# Allegro board buddy_lay_rev1.brd (continued)
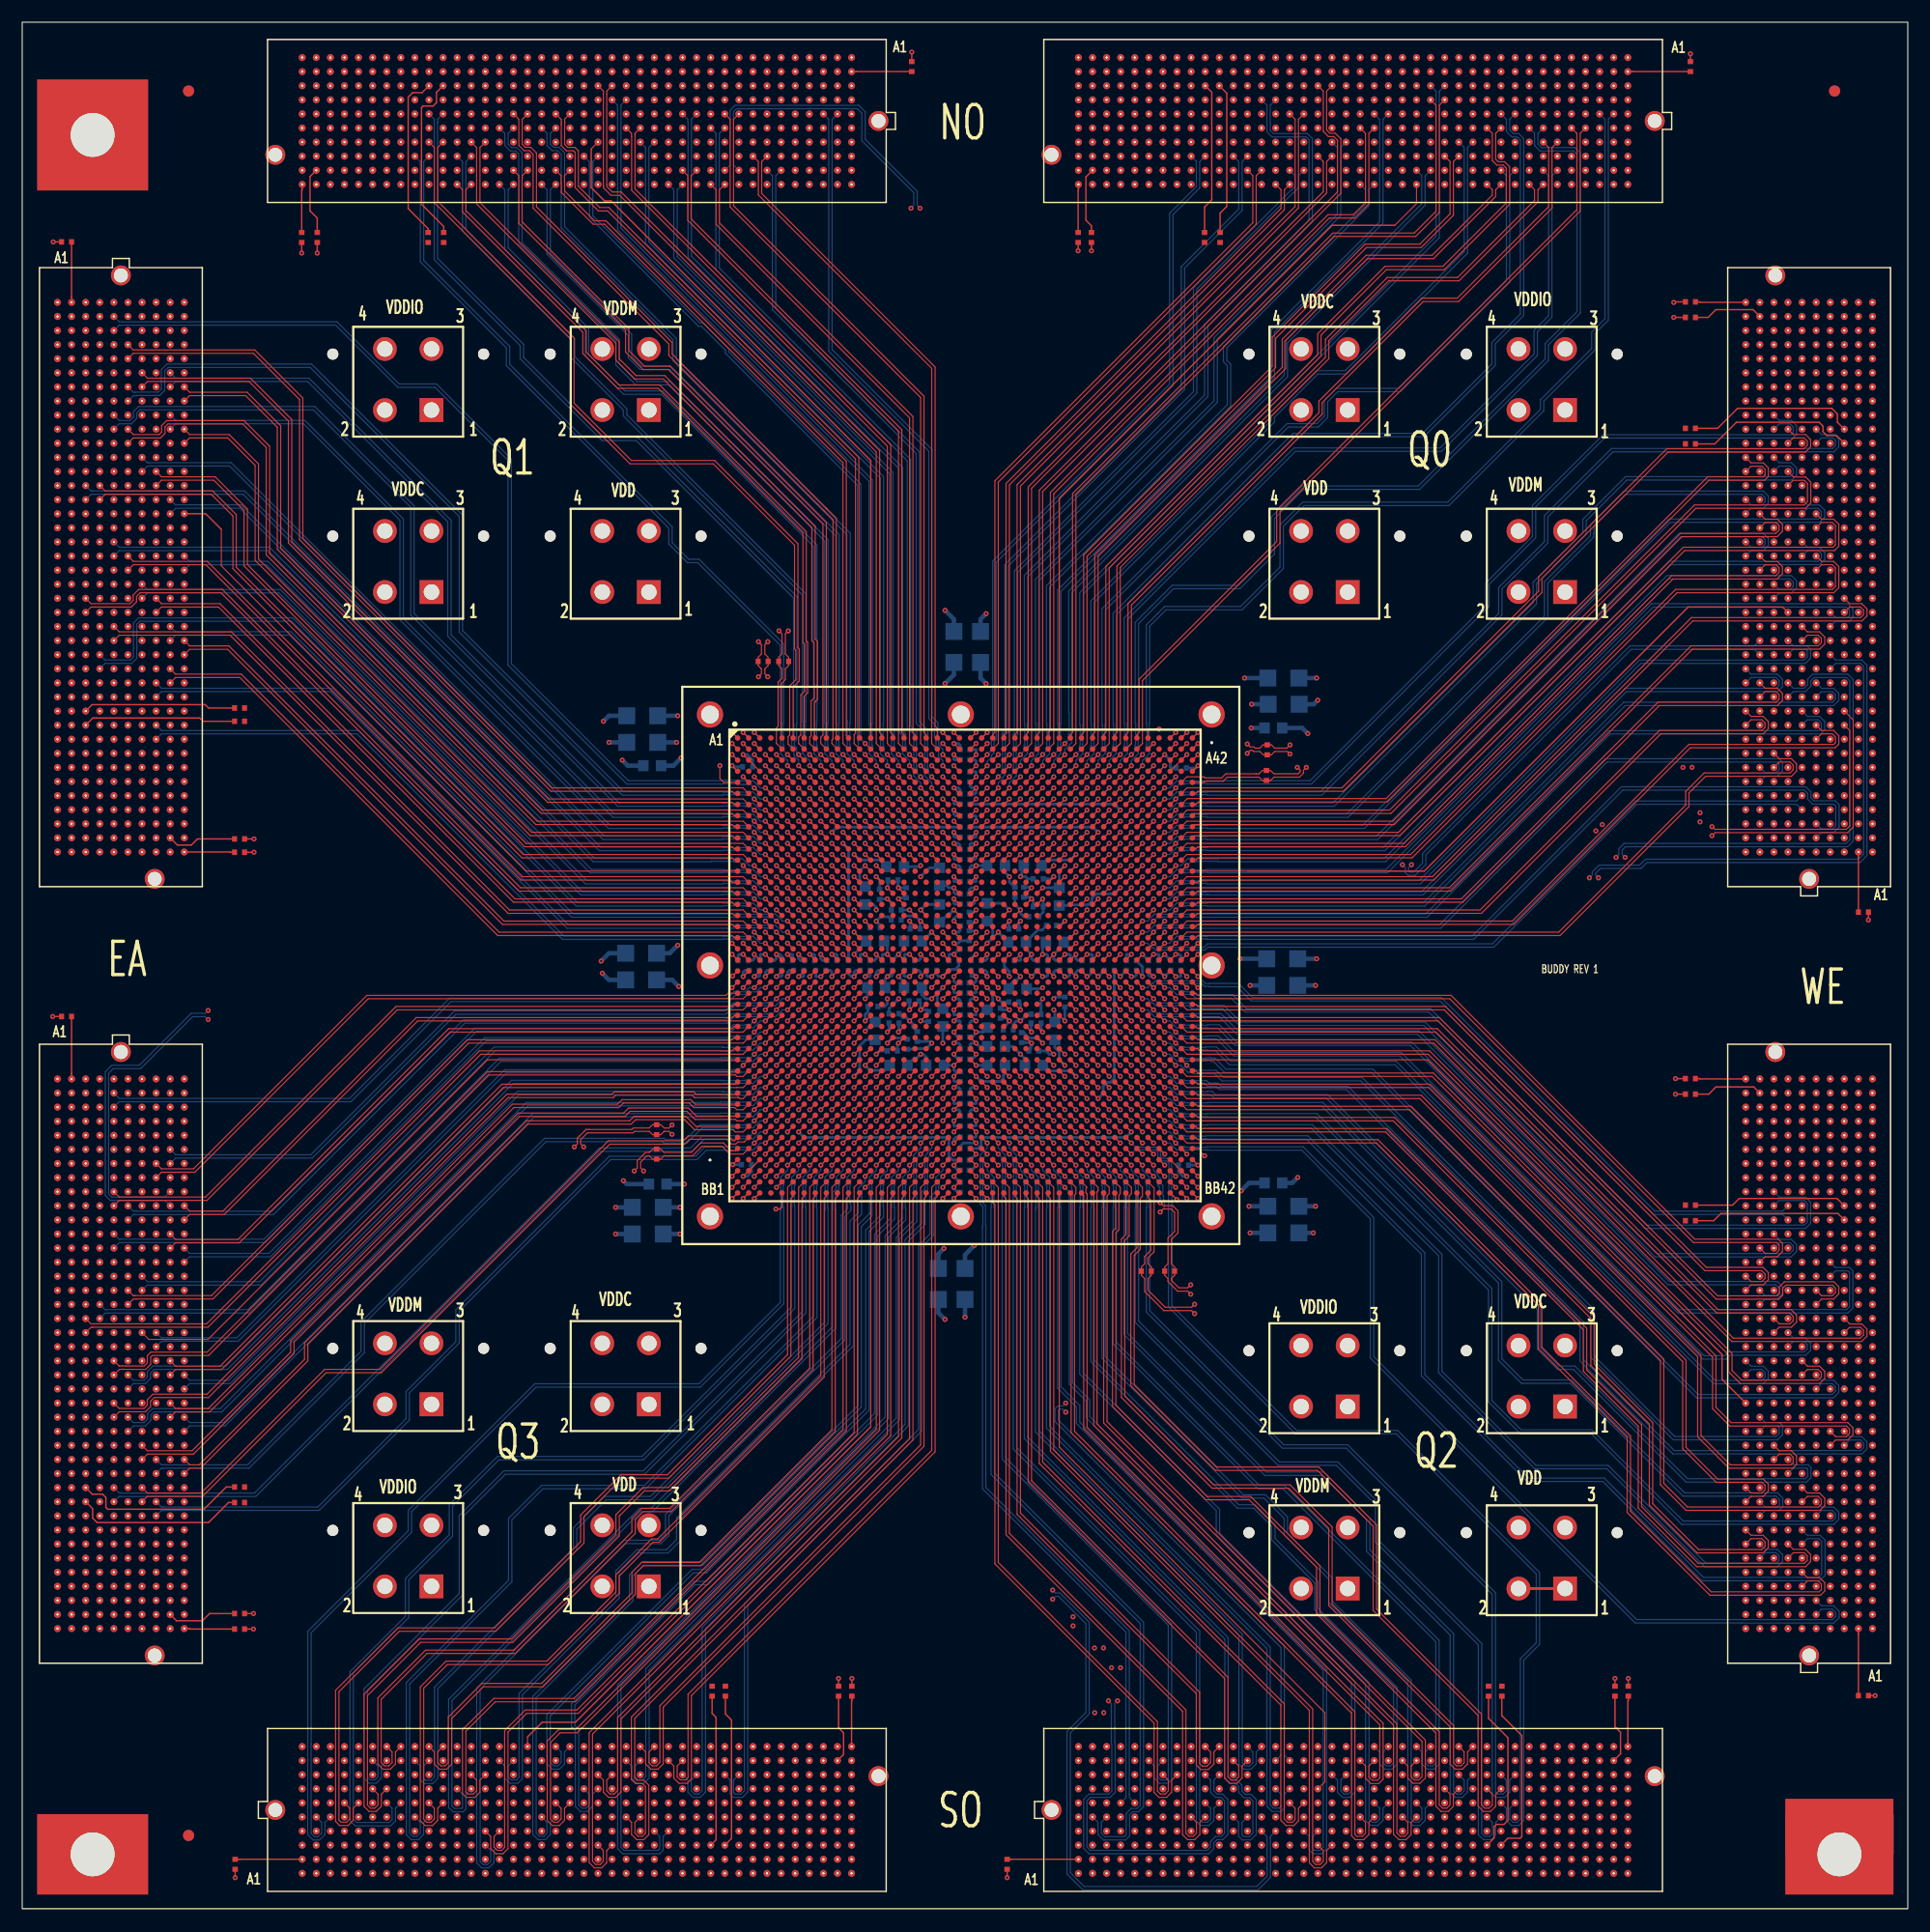
[diagram p0: board, top side]
## Routing (per net, layer and track width the routed paths; a pad name or vN(x,y) marks a point on that pad's centre or on a via; arc(x,y) is an arc through that point) (continued)
SO_P26: length 93.9
  TOP w0.127: U1.AT30 v1(94,70)
  SIGNAL_L3 w0.081: v1(94,70) 94,69.52 94.15,69.37 94.15,69.37 94.37,69.15 94.37,69.15 94.4,69.12 94.4,69.07 94.67,68.8 94.67,68.22 94.63,68.18 94.63,61.61 94.67,61.57 94.67,48.78 95.75,47.7 95.75,42.65 94.7,41.6 94.7,29.7 98.78,25.62 98.78,21.96 v1(99.02,21.71)
  SIGNAL_L10 w0.081: J5.K19 118.56,14.15 118.56,13.89 118.57,13.88 118.57,5.56 118.28,5.27 110.28,5.27 110.01,5.54 110.01,14.92 108.23,16.7 103.2,16.7 98.78,21.12 98.78,21.47 v1(99.02,21.71)
SO_P27: length 71.1
  TOP w0.127: U1.AV30 v1(94,68)
  SIGNAL_L12 w0.081: v1(94,68) 94,67.55 94.37,67.18 94.37,67.1 94.66,66.81 94.66,66.31 94.63,66.28 94.63,64.27 94.67,64.24 94.67,45.97 94.78,45.85 94.78,44.62 118.87,20.53 118.87,11.62 118.54,11.29 117.76,11.29 117.29,11.76 117.29,12.88 J5.J18
SO_P28: length 70.8
  TOP w0.127: U1.AY30 v1(94,66)
  BOTTOM w0.102: v1(94,66) 94.41,65.59 94.44,65.59 94.62,65.41 94.62,64.81 94.7,64.73 94.7,47.4 96.25,45.85 96.25,44.35 120.15,20.45 120.15,10.51 119.68,10.03 119.04,10.03 118.58,10.48 118.58,11.58 J5.H19
SO_P29: length 63.9
  TOP w0.102: U1.BB30 93.5,41.6 117.45,17.65 117.45,11.44 J5.G18
SO_P30: length 85.5
  TOP w0.127: U1.AM29 v1(93,74)
  SIGNAL_L3 w0.081: v1(93,74) 93.32,73.68 93.76,73.68 93.79,73.64 93.83,73.64 93.85,73.63 94.15,73.63 94.17,73.64 94.24,73.64 94.63,73.26 94.63,72.74 94.74,72.63 98.35,72.63 98.63,72.35 98.63,70.77 98.77,70.63 100.26,70.63 100.63,70.26 100.63,64.72 100.65,64.7 100.64,64.62 100.64,34.63 113.82,21.45 113.82,7.97 114,7.79 118.26,7.79 118.56,8.09 118.56,9.07 J5.F19
SO_P31: length 75.4
  TOP w0.127: U1.AU29 v1(93,69)
  SIGNAL_L12 w0.081: J5.E18 117.29,7.8 117.29,6.82 117.01,6.54 116.63,6.54 116.33,6.83 116.33,21.58 93.66,44.25 93.66,62.66 93.63,62.7 93.63,67.2 93.66,67.23 93.66,67.81 93.37,68.1 93.37,68.18 93,68.55 v1(93,69)
SO_P32: length 76.3
  TOP w0.127: U1.AW29 v1(93,67)
  BOTTOM w0.102: v1(93,67) 93,66.54 93.63,65.91 93.63,65.46 93.62,65.44 93.62,63.2 93.65,63.17 93.65,47.04 95.35,45.34 95.35,43.85 117.6,21.6 117.6,5.42 117.14,4.95 116.37,4.95 116.03,5.29 116.03,6.51 J5.D17
SO_P33: length 74
  TOP w0.102: 116.82,5.72 117.3,5.24 117.3,4.28 117.01,3.99 116.62,3.99 116.35,4.26 116.35,18 93,41.35 93,65 U1.BA29
SO_P34: length 74.4
  TOP w0.127: U1.AL28 v1(92,75)
  SIGNAL_L5 w0.081: J5.K16 114.75,14.15 114.75,13.17 114.47,12.89 114.09,12.89 113.8,13.17 113.8,16.3 92.66,37.44 92.66,64.52 92.63,64.56 92.63,73.26 92.59,73.29 92.59,73.51 92.63,73.54 92.63,74.37 v1(92,75)
SO_P35: length 71.3
  TOP w0.127: U1.AN28 v1(92,73)
  SIGNAL_L3 w0.081: v1(94.08,45.56) 93.84,45.32 93.35,45.32 92.67,46 92.67,64.62 92.63,64.65 92.63,71.18 92.67,71.22 92.67,71.8 92.4,72.07 92.4,72.12 92.37,72.15 92.37,72.15 92.15,72.37 92.15,72.37 92,72.52 v1(92,73)
  BOTTOM w0.102: J5.J15 113.49,13.83 113.49,23.53 93.12,43.9 93.12,45.05 93.38,45.31 93.82,45.31 v1(94.08,45.56)
SO_P36: length 71
  TOP w0.127: U1.AU28 v1(92,69)
  SIGNAL_L12 w0.081: J5.H16 114.75,11.61 114.75,10.63 114.47,10.35 114.09,10.35 113.82,10.62 113.82,22.83 92.66,43.99 92.66,62.66 92.63,62.7 92.63,67.2 92.66,67.23 92.66,67.81 92.37,68.1 92.37,68.18 92,68.55 v1(92,69)
SO_P37: length 69.8
  TOP w0.127: U1.AW28 v1(92,67)
  BOTTOM w0.102: J5.G15 113.49,10.32 113.49,9.2 113.35,9.07 112.81,9.07 112.52,9.36 112.52,23.58 92.65,43.45 92.65,63.17 92.62,63.2 92.62,65.44 92.63,65.46 92.63,65.91 92,66.54 v1(92,67)
SO_P38: length 69.5
  TOP w0.102: U1.BA28 92,65 92,40.25 113.78,18.47 113.78,8.1 114.08,7.8 114.52,7.8 114.76,8.04 114.76,9.05 J5.F16
SO_P39: length 80.6
  TOP w0.127: U1.AL27 v1(91,75)
  SIGNAL_L10 w0.081: J5.E15 113.48,7.8 113.48,6.82 113.2,6.54 112.82,6.54 112.53,6.82 112.53,19.24 91.67,40.1 91.67,64.62 91.63,64.66 91.63,74.37 v1(91,75)
SO_P40: length 97
  TOP w0.127: U1.AN27 v1(91,73)
  SIGNAL_L3 w0.081: v1(91,73) 91,72.52 91.15,72.37 91.15,72.37 91.37,72.15 91.37,72.15 91.4,72.12 91.4,72.07 91.67,71.8 91.67,71.22 91.63,71.18 91.63,64.58 91.63,29.48 92.61,28.5 92.69,28.5 v1(92.9,28.71)
  BOTTOM w0.102: J5.D14 112.22,6.51 112.22,6.24 112.23,6.23 112.23,2.93 111.3,2 95.75,2 95.03,2.72 95.03,2.72 94.5,3.25 94.5,15.85 96.2,17.55 96.2,25.81 93.56,28.45 93.15,28.45 v1(92.9,28.71)
SO_P41: length 80.2
  TOP w0.127: U1.AR27 v1(91,71)
  SIGNAL_L12 w0.081: 111.74,5.72 112.19,5.27 112.19,4.27 111.93,4 111.44,4 111.25,4.19 111.25,6.05 111.41,6.21 112.06,6.21 112.52,6.67 112.52,22.83 91.66,43.69 91.66,64.66 91.63,64.7 91.63,69.2 91.66,69.23 91.66,69.81 91.37,70.1 91.37,70.18 91,70.55 v1(91,71)
SO_P42: length 65.3
  TOP w0.127: U1.AW27 v1(91,67)
  BOTTOM w0.102: v1(91,67) 91,66.54 91.63,65.91 91.63,65.46 91.62,65.44 91.62,63.2 91.65,63.17 91.65,43.1 110,24.75 110,13.15 110.27,12.88 110.66,12.88 110.95,13.17 110.95,14.13 J5.K13
SO_P43: length 64
  TOP w0.102: 109.2,13.35 109.68,12.86 109.68,11.9 109.39,11.61 109,11.61 108.7,11.9 108.7,20.87 91,38.57 91,65 U1.BA27
SO_P44: length 78.4
  TOP w0.127: U1.AL26 v1(90,75)
  SIGNAL_L5 w0.081: J5.H13 110.92,11.62 110.92,10.39 111.3,10.02 112.06,10.02 112.55,10.5 112.55,16.02 90.66,37.9 90.66,64.48 90.63,64.52 90.63,73.26 90.59,73.29 90.59,73.51 90.63,73.54 90.63,74.37 v1(90,75)
SO_P45: length 78.9
  TOP w0.127: U1.AN26 v1(90,73)
  SIGNAL_L3 w0.081: v1(94.74,26.3) 94.5,26.06 93.9,26.06 90.67,29.29 90.67,64.62 90.63,64.65 90.63,71.18 90.67,71.22 90.67,71.8 90.4,72.07 90.4,72.12 90.37,72.15 90.37,72.15 90.15,72.37 90.15,72.37 90,72.52 v1(90,73)
  SIGNAL_L5 w0.081: v1(94.74,26.3) 94.98,26.06 98.96,26.06 107.47,17.55 107.47,9.35 107.74,9.08 109.39,9.08 109.67,9.36 109.67,10.34 109.2,10.8
SO_P46: length 74.8
  TOP w0.127: U1.AR26 v1(90,71)
  SIGNAL_L12 w0.081: J5.F13 110.94,9.07 110.94,8.09 110.66,7.81 110.2,7.81 110.01,8 110.01,23.96 90.66,43.31 90.66,64.66 90.63,64.7 90.63,69.2 90.66,69.23 90.66,69.81 90.37,70.1 90.37,70.18 90,70.55 v1(90,71)
SO_P47: length 74.3
  TOP w0.127: U1.AW26 v1(90,67)
  BOTTOM w0.102: 109.2,8.27 109.66,7.8 109.66,6.53 110,6.2 110.76,6.2 111.25,6.69 111.25,9.84 110.79,10.31 110.27,10.31 109.97,10.61 109.97,11.13 109.52,11.58 109,11.58 108.73,11.85 108.73,24.42 90.65,42.5 90.65,63.17 90.62,63.2 90.62,65.44 90.63,65.46 90.63,65.91 90,66.54 v1(90,67)
SO_P48: length 62.2
  TOP w0.102: U1.BA26 90,65 90,35.66 106.16,19.5 106.16,13.07 106.38,12.85 106.82,12.85 107.14,13.17 107.14,14.13 J5.K10
SO_P49: length 79.8
  TOP w0.127: U1.AL25 v1(89,75)
  SIGNAL_L3 w0.081: v1(89,75) 89,74.52 88.63,74.15 88.63,73.97 88.36,73.7 88.23,73.7 88.15,73.63 87.91,73.63 87.91,73.63 87.63,73.63 87.37,73.37 87.37,63.26 87.33,63.23 87.33,18.9 90.35,15.88 104.91,15.88 105.84,14.95 105.84,13.8 105.39,13.35
SO_P50: length 94.2
  TOP w0.127: U1.AN25 v1(89,73)
  SIGNAL_L3 w0.081: v1(89,73) 89,72.52 89.15,72.37 89.15,72.37 89.37,72.15 89.37,72.15 89.4,72.12 89.4,72.07 89.66,71.81 89.66,71.22 89.63,71.19 89.63,70.74 89.62,70.73 89.62,70.27 89.63,70.26 89.63,69.74 89.62,69.73 89.62,69.27 89.63,69.26 89.63,68.74 89.62,68.73 89.62,68.27 89.63,68.26 89.63,67.74 89.62,67.73 89.62,67.27 89.63,67.26 89.63,66.74 89.62,66.73 89.62,66.27 89.63,66.26 89.63,65.74 89.62,65.73 89.62,65.27 89.63,65.26 89.63,64.57 89.65,64.54 89.65,28.25 98.51,19.39 98.51,18.97 v1(98.75,18.73)
  BOTTOM w0.102: J5.H10 107.14,11.59 107.14,11.45 107.13,11.44 107.13,10.5 107.61,10.03 108.09,10.03 108.4,9.73 108.4,6.8 108.12,6.53 107.6,6.53 107.12,6.05 107.12,5.53 106.85,5.26 96.3,5.26 96,5.56 96,9.73 96.3,10.03 98.09,10.03 98.54,10.48 98.54,14.94 98.5,14.98 98.5,18.47 v1(98.75,18.73)
SO_P51: length 71.8
  TOP w0.127: U1.AR25 v1(89,71)
  SIGNAL_L12 w0.081: v1(89,71) 89,70.55 89.37,70.18 89.37,70.1 89.66,69.81 89.66,69.23 89.63,69.2 89.63,64.7 89.66,64.66 89.66,41.46 104.93,26.19 104.93,9.35 105.2,9.08 105.61,9.08 105.86,9.33 105.86,10.34 105.39,10.8
SO_P52: length 71.7
  TOP w0.127: U1.AU25 v1(89,69)
  BOTTOM w0.102: v1(89,69) 89,68.54 89.63,67.91 89.63,67.46 89.62,67.44 89.62,64.51 89.65,64.48 89.65,41.55 106.16,25.04 106.16,8 106.36,7.8 106.85,7.8 107.14,8.09 107.14,9.05 J5.F10
SO_P53: length 68.3
  TOP w0.102: U1.BA25 89,65 89,33.83 104.92,17.91 104.92,6.8 105.19,6.53 105.58,6.53 105.87,6.82 105.87,7.78 105.39,8.27
SO_P54: length 87.4
  TOP w0.127: U1.AL24 v1(88,75)
  SIGNAL_L3 w0.081: J5.D8 104.59,7.46 104.59,9.71 104.28,10.02 89.01,10.02 85.72,13.3 85.72,58.92 86.66,59.86 86.66,62.97 86.7,63.01 86.7,63.3 86.37,63.63 86.37,74.26 86.74,74.63 87.45,74.63 87.49,74.67 87.67,74.67 v1(88,75)
SO_P55: length 85.3
  TOP w0.127: U1.AN24 v1(88,73)
  SIGNAL_L3 w0.081: v1(97.51,17.66) 97.26,17.91 97.26,18.74 88.65,27.35 88.65,64.59 88.63,64.62 88.63,65.26 88.62,65.27 88.62,65.73 88.63,65.74 88.63,66.26 88.62,66.27 88.62,66.73 88.63,66.74 88.63,67.26 88.62,67.27 88.62,67.73 88.63,67.74 88.63,68.26 88.62,68.27 88.62,68.73 88.63,68.74 88.63,69.26 88.62,69.27 88.62,69.73 88.63,69.74 88.63,70.26 88.62,70.27 88.62,70.73 88.63,70.74 88.63,71.19 88.66,71.22 88.66,71.81 88.4,72.07 88.4,72.12 88.37,72.15 88.37,72.15 88.15,72.37 88.15,72.37 88,72.52 v1(88,73)
  SIGNAL_L12 w0.081: 106.66,5.72 107.13,5.26 107.13,4.28 106.82,3.97 97.58,3.97 97.28,4.27 97.28,14.94 97.27,14.96 97.27,17.42 v1(97.51,17.66)
SO_P56: length 67.3
  TOP w0.127: U1.AR24 v1(88,71)
  SIGNAL_L12 w0.081: v1(88,71) 88,70.55 88.37,70.18 88.37,70.1 88.66,69.81 88.66,69.23 88.63,69.2 88.63,64.7 88.66,64.66 88.66,40.53 102.39,26.8 102.39,13.15 102.65,12.89 103.04,12.89 103.3,13.16 103.3,14.16 J5.K7
SO_P57: length 68.2
  TOP w0.127: U1.AU24 v1(88,69)
  BOTTOM w0.102: 101.58,13.35 102.06,12.86 102.06,11.77 102.53,11.3 103.31,11.3 103.63,11.62 103.63,25.67 88.65,40.65 88.65,64.48 88.62,64.51 88.62,67.44 88.63,67.46 88.63,67.91 88,68.54 v1(88,69)
SO_P58: length 63.9
  TOP w0.102: U1.BA24 88,65 88,31.2 102.35,16.85 102.35,10.6 102.61,10.34 103.04,10.34 103.33,10.63 103.33,11.59 J5.H7
SO_P59: length 86.9
  TOP w0.127: U1.AL23 v1(87,75)
  SIGNAL_L12 w0.081: v1(87,75) 87,74.52 87.37,74.15 87.37,74.1 87.69,73.78 87.69,73.34 87.63,73.27 87.63,71.74 87.26,71.37 86.8,71.37 86.63,71.2 86.63,63.47 86.9,63.2 86.9,61 86.5,60.6 86.5,60.07 86.54,60.03 86.54,37.61 99.82,24.33 99.82,5.56 100.12,5.27 103.04,5.27 103.3,5.54 103.3,8.45 103.04,8.72 102.54,8.72 102.05,9.22 102.05,10.34 101.58,10.8
SO_P60: length 77.9
  TOP w0.127: U1.AN23 v1(87,73)
  SIGNAL_L10 w0.081: v1(87,73) 87.33,72.67 87.69,72.67 87.73,72.63 88.26,72.63 88.63,72.26 88.63,64.53 88.66,64.5 88.66,24.25 96.49,16.43 100.88,16.43 102.38,14.92 102.38,8.08 102.66,7.81 103.07,7.81 103.32,8.05 103.32,9.07 J5.F7
SO_P61: length 73.6
  TOP w0.127: U1.AR23 v1(87,71)
  SIGNAL_L12 w0.081: 101.58,8.27 102.05,7.8 102.05,6.82 101.77,6.54 101.39,6.54 101.12,6.81 101.12,25.07 87.81,38.38 87.81,62.29 87.89,62.37 87.89,63.67 87.85,63.71 87.85,64.45 87.63,64.67 87.63,69.2 87.66,69.23 87.66,69.81 87.37,70.1 87.37,70.18 87,70.55 v1(87,71)
SO_P62: length 66.1
  TOP w0.127: U1.AU23 v1(87,69)
  BOTTOM w0.102: v1(87,69) 87,68.54 86.37,67.91 86.37,67.46 86.38,67.44 86.38,63.48 86.61,63.25 86.61,61.58 86.58,61.55 86.58,61.4 86.58,61.33 86.58,37.84 99.5,24.91 99.5,10.18 99.52,10.16 99.52,10.02 J5.F4
SO_P63: length 72.8
  TOP w0.127: U1.AW23 v1(87,67)
  BOTTOM w0.102: 96.5,8.27 96.5,8.27 96.99,7.78 96.99,6.68 97.48,6.19 97.57,6.19 97.57,6.19 99.48,6.19 99.84,6.55 99.84,8.46 100.11,8.73 100.63,8.73 101.1,9.2 101.1,25.82 87.65,39.27 87.65,63.17 87.62,63.2 87.62,65.44 87.63,65.46 87.63,65.91 87,66.54 v1(87,67)
SO_P64: length 67.3
  TOP w0.127: U1.AY20 v1(83,66)
  BOTTOM w0.102: v1(83,66) 82.68,65.68 82.68,65.22 82.62,65.16 82.62,64.47 82.15,64 82.15,60.67 81.1,59.62 81.1,43.05 65.42,27.37 65.42,10.51 64.93,10.03 64.14,10.03 63.83,10.34 63.83,11.59 J6.H31
SO_P65: length 72.3
  TOP w0.127: U1.AV20 v1(83,68)
  SIGNAL_L10 w0.081: v1(83,68) 82.67,68.33 82.26,68.33 82.22,68.37 81.85,68.37 81.63,68.15 81.63,64.61 81.67,64.57 81.67,35.55 64.16,18.04 64.16,9.23 63.67,8.75 63.02,8.75 62.54,9.22 62.54,10.34 J6.G30
SO_P66: length 87.1
  TOP w0.127: U1.AT20 v1(83,70)
  SIGNAL_L12 w0.081: v1(83,70) 82.67,69.67 82.67,69.23 82.63,69.2 82.63,69.16 82.63,69.15 82.63,64.85 82.7,64.77 82.7,64.58 82.63,64.51 82.63,64.11 81.87,63.36 81.87,38.21 72.76,29.09 65.01,29.09 58.93,23.01 58.93,15.2 59.08,15.05 59.08,11.89 59.37,11.59 64.94,11.59 65.42,11.11 65.42,7.96 64.94,7.48 64.29,7.48 63.81,7.95 63.81,9.07 63.34,9.54
SO_P67: length 79.4
  TOP w0.127: U1.AP20 v1(83,72)
  SIGNAL_L10 w0.081: v1(83,72) 82.67,72.33 82.31,72.33 82.27,72.37 80.85,72.37 80.63,72.15 80.63,64.51 80.67,64.47 80.67,36.67 61.62,17.62 61.62,6.81 61.88,6.54 62.26,6.54 62.54,6.82 62.54,7.8 J6.E30
SO_P68: length 81.1
  TOP w0.127: U1.AM20 v1(83,74)
  SIGNAL_L12 w0.081: 59.53,14.62 60,14.15 60,13.03 60.48,12.56 61.13,12.56 61.59,13.02 61.59,24.5 64.77,27.67 74.43,27.67 82.67,35.91 82.67,62.55 83.67,63.55 83.67,63.82 83.63,63.86 83.63,71.3 83.3,71.63 82.85,71.63 82.63,71.85 82.63,73.32 82.64,73.34 82.64,73.64 v1(83,74)
SO_P69: length 65.7
  TOP w0.102: U1.BB19 82.5,64.2 82.3,64 82.3,41.17 60.34,19.2 60.34,11.69 59.95,11.3 59.21,11.3 58.75,11.77 58.75,12.86 J6.J27
SO_P70: length 70.4
  TOP w0.127: U1.AV19 v1(82,68)
  BOTTOM w0.102: v1(82,68) 81.62,67.62 81.62,64.74 81.4,64.53 81.4,61.65 79.9,60.15 79.9,43.52 61.6,25.22 61.6,10.51 61.12,10.03 60.48,10.03 60.02,10.5 60.02,11.59 J6.H28
SO_P71: length 78.3
  TOP w0.127: U1.AT19 v1(82,70)
  SIGNAL_L12 w0.081: J6.G27 58.73,10.34 58.73,9.2 58.59,9.05 58,9.05 57.78,9.27 57.78,23.22 64.93,30.36 71.64,30.36 81.08,39.8 81.08,63.53 81.66,64.11 81.66,64.66 81.63,64.7 81.63,69.15 81.63,69.16 81.63,69.2 81.67,69.23 81.67,69.67 v1(82,70)
SO_P72: length 77.2
  TOP w0.127: U1.AP19 v1(82,72)
  SIGNAL_L3 w0.081: v1(82,72) 81.67,71.67 81.67,71.21 81.64,71.18 81.64,71.16 81.63,71.15 81.63,70.85 81.64,70.84 81.64,70.16 81.63,70.15 81.63,69.85 81.64,69.84 81.64,69.16 81.63,69.15 81.63,68.85 81.64,68.84 81.64,68.16 81.63,68.15 81.63,67.85 81.64,67.84 81.64,67.16 81.63,67.15 81.63,66.85 81.64,66.84 81.64,66.16 81.63,66.15 81.63,65.85 81.64,65.84 81.64,65.27 81.63,65.26 81.63,64.63 81.6,64.6 81.6,64.57 81.68,64.5 81.68,40.89 61.59,20.81 61.59,7.74 61.3,7.45 60.5,7.45 60,7.95 60,9.07 59.53,9.54
SO_P73: length 98
  TOP w0.127: U1.AM19 v1(82,74)
  SIGNAL_L3 w0.081: v1(82,74) 82.33,74.33 82.54,74.33 82.58,74.37 83.15,74.37 83.37,74.15 83.37,63.73 82.82,63.18 82.82,63.07 82.74,63 82.74,61.59 83.92,60.41 83.92,14.49 75.97,6.54 58.07,6.54 57.79,6.82 57.79,9.71 58.07,9.99 58.45,9.99 58.73,9.71 58.73,8.73 J6.E27
SO_P74: length 65
  TOP w0.102: J6.K25 56.21,14.13 56.21,13.04 56.67,12.57 57.31,12.57 57.8,13.05 57.8,18.16 81.3,41.67 81.3,64 81.5,64.2 U1.BB18
SO_P75: length 70.8
  TOP w0.127: U1.AV18 v1(81,68)
  BOTTOM w0.102: v1(81,68) 80.68,67.68 80.68,67.22 80.62,67.16 80.62,64.51 80.65,64.48 80.65,61.92 79.1,60.37 79.1,44.07 56.53,21.49 56.53,11.78 56.04,11.3 55.4,11.3 54.94,11.77 54.94,12.86 J6.J24
SO_P76: length 76
  TOP w0.127: U1.AT18 v1(81,70)
  SIGNAL_L12 w0.081: v1(81,70) 80.67,69.67 80.67,69.23 80.63,69.2 80.63,69.16 80.63,69.15 80.63,64.7 80.67,64.66 80.67,64.05 80.28,63.66 80.28,43.02 68.81,31.55 64.87,31.55 55.24,21.93 55.24,10.48 55.37,10.35 55.91,10.35 56.19,10.63 56.19,11.61 J6.H25
SO_P77: length 77.9
  TOP w0.127: U1.AP18 v1(81,72)
  SIGNAL_L3 w0.081: J6.G24 54.92,10.34 54.92,9.36 54.64,9.08 54.26,9.08 54,9.35 54,11.13 54.15,11.29 54.78,11.29 55.25,11.76 55.25,15.96 80.68,41.39 80.68,64.27 80.61,64.33 80.61,64.45 80.68,64.51 80.68,64.57 80.63,64.62 80.63,65.15 80.64,65.16 80.64,65.84 80.63,65.85 80.63,66.15 80.64,66.16 80.64,66.84 80.63,66.85 80.63,67.15 80.64,67.16 80.64,67.84 80.63,67.85 80.63,68.15 80.64,68.16 80.64,68.84 80.63,68.85 80.63,69.15 80.64,69.16 80.64,69.84 80.63,69.85 80.63,70.15 80.64,70.16 80.64,70.84 80.63,70.85 80.63,71.15 80.64,71.16 80.64,71.18 80.67,71.21 80.67,71.67 v1(81,72)
SO_P78: length 80.3
  TOP w0.127: U1.AM18 v1(81,74)
  SIGNAL_L5 w0.081: v1(81,74) 81.33,74.33 81.74,74.33 81.77,74.37 82.15,74.37 82.37,74.15 82.37,64.61 82.33,64.57 82.33,64.45 81.02,63.14 81.02,36.39 64.56,19.93 60.66,19.93 56.19,15.46 56.19,10 J6.F25
SO_P79: length 72.9
  TOP w0.102: J6.E24 54.94,7.78 54.94,6.69 55.4,6.22 56.04,6.22 56.5,6.67 56.5,11.13 56.04,11.58 55.42,11.58 55.23,11.77 55.23,17.15 80.3,42.22 80.3,64 80.5,64.2 U1.BB17
SO_P80: length 77.4
  TOP w0.127: U1.AY17 v1(80,66)
  BOTTOM w0.102: J6.D26 57.48,6.51 57.48,5.39 57.34,5.26 54.26,5.26 53.99,5.53 53.99,20.05 78.1,44.17 78.1,60.52 79.65,62.07 79.65,63.1 79.62,63.13 79.62,65.16 79.68,65.22 79.68,65.68 v1(80,66)
SO_P81: length 84.8
  TOP w0.127: U1.AT17 v1(80,70)
  SIGNAL_L12 w0.081: 56.99,5.72 57.46,5.26 57.46,4.21 57.22,3.97 54.13,3.97 53.97,4.13 53.97,21.86 64.88,32.76 68.36,32.76 79.46,43.86 79.46,64.24 79.67,64.45 79.67,64.66 79.63,64.7 79.63,69.15 79.63,69.16 79.63,69.2 79.67,69.23 79.67,69.67 v1(80,70)
SO_P82: length 74.3
  TOP w0.127: U1.AP17 v1(80,72)
  SIGNAL_L3 w0.081: v1(80,72) 79.66,71.66 79.66,71.22 79.63,71.19 79.63,64.65 79.66,64.62 79.66,42.66 54,17 54,13.04 53.51,12.56 52.86,12.56 52.4,13.02 52.4,14.13 J6.K22
SO_P83: length 78.1
  TOP w0.127: U1.AM17 v1(80,74)
  SIGNAL_L5 w0.081: v1(80,74) 79.68,73.68 79.68,73.2 79.63,73.15 79.63,64.71 79.67,64.67 79.67,42.9 52.73,15.96 52.73,11.77 52.24,11.29 51.59,11.29 51.13,11.75 51.13,12.61 51.11,12.62 51.11,12.88 J6.J21
SO_P84: length 68.3
  TOP w0.102: U1.BB16 79.5,64.2 79.3,64 79.3,42.42 53.99,17.1 53.99,10.51 53.5,10.03 52.86,10.03 52.4,10.5 52.4,11.59 J6.H22
SO_P85: length 73.1
  TOP w0.127: U1.AY16 v1(79,66)
  BOTTOM w0.102: v1(79,66) 78.68,65.68 78.68,65.22 78.62,65.16 78.62,63.2 78.65,63.17 78.65,62.15 77.15,60.65 77.15,44.52 61.83,29.2 60.68,29.2 49.83,18.35 49.83,16.5 50.18,16.16 50.18,9.34 50.45,9.07 50.84,9.07 51.13,9.36 51.13,10.32 J6.G21
SO_P86: length 78.7
  TOP w0.127: U1.AT16 v1(79,70)
  SIGNAL_L12 w0.081: v1(79,70) 78.67,69.67 78.67,69.23 78.63,69.2 78.63,69.16 78.63,69.15 78.63,64.7 78.67,64.66 78.67,44.96 67.57,33.86 64.53,33.86 51.45,20.78 51.45,8.08 51.72,7.81 52.1,7.81 52.38,8.09 52.38,9.07 J6.F22
SO_P87: length 80.7
  TOP w0.127: U1.AP16 v1(79,72)
  SIGNAL_L3 w0.081: J6.E21 51.1,7.81 51.1,6.81 50.83,6.54 50.45,6.54 50.16,6.83 50.16,11.74 50.17,11.75 50.17,12.4 50.16,12.41 50.16,14.75 50.19,14.77 50.19,14.8 50.45,15.07 50.49,15.07 78.66,43.25 78.66,64.62 78.63,64.65 78.63,71.19 78.66,71.22 78.66,71.66 v1(79,72)
SO_P88: length 84.5
  TOP w0.127: U1.AM16 v1(79,74)
  SIGNAL_L10 w0.081: v1(79,74) 78.65,73.65 78.65,73.36 78.63,73.33 78.63,64.63 78.66,64.6 78.66,43.36 51.43,16.13 51.43,5.4 50.97,4.94 50.32,4.94 49.84,5.41 49.84,6.53 J6.D20
SO_P89: length 74.3
  TOP w0.102: U1.BB15 78.5,64.2 78.3,64 78.3,42.62 51.42,15.74 51.42,4.29 51.72,3.99 52.11,3.99 52.39,4.26 52.39,5.25 51.91,5.72
SO_P90: length 69.7
  TOP w0.127: U1.AY15 v1(78,66)
  BOTTOM w0.102: v1(78,66) 77.68,65.68 77.68,65.22 77.62,65.16 77.62,63.33 77.65,63.29 77.65,62.32 76.35,61.02 76.35,44.92 61.7,30.27 60.51,30.27 47.61,17.36 47.61,13.18 47.91,12.88 48.3,12.88 48.59,13.17 48.59,14.13 J6.K19
SO_P91: length 77.7
  TOP w0.127: U1.AV15 v1(78,68)
  SIGNAL_L12 w0.081: v1(78,68) 77.67,67.67 77.67,67.23 77.63,67.2 77.63,67.16 77.63,67.15 77.63,62.7 77.67,62.66 77.67,45.42 68.1,35.85 62.78,35.85 62.63,36 60.17,36 54.15,29.98 54.15,28.53 48.89,23.28 48.89,11.75 48.41,11.27 47.71,11.27 47.3,11.68 47.3,12.88 J6.J18
SO_P92: length 78.4
  TOP w0.127: U1.AP15 v1(78,72)
  SIGNAL_L3 w0.081: v1(78,72) 77.66,71.66 77.66,71.22 77.63,71.19 77.63,64.65 77.66,64.62 77.66,43.5 51.52,17.35 50,17.35 47.65,14.99 47.65,10.62 47.91,10.35 48.29,10.35 48.56,10.62 48.56,11.62 J6.H19
SO_P93: length 81.4
  TOP w0.127: U1.AM15 v1(78,74)
  SIGNAL_L5 w0.081: v1(78,74) 77.68,73.68 77.68,73.2 77.63,73.15 77.63,64.71 77.67,64.67 77.67,43.56 48.92,14.8 48.92,9.23 48.43,8.75 47.78,8.75 47.29,9.23 47.29,10.21 47.3,10.22 47.3,10.34 J6.G18
SO_P94: length 72.5
  TOP w0.102: U1.BB14 77.5,64 77.3,63.8 77.3,43.12 50.03,15.85 48.5,15.85 47.64,14.98 47.64,8.07 47.91,7.8 48.3,7.8 48.59,8.09 48.59,9.05 J6.F19
SO_P95: length 78.6
  TOP w0.127: U1.AY14 v1(77,66)
  BOTTOM w0.102: J6.E18 47.32,7.78 47.32,6.82 47.03,6.53 46.64,6.53 46.34,6.83 46.34,19.01 55.05,27.72 55.05,29.96 56.04,30.95 61.38,30.95 75.65,45.22 75.65,61.47 76.62,62.44 76.62,65.62 v1(77,66)
SO_P96: length 85.9
  TOP w0.127: U1.AV14 v1(77,68)
  SIGNAL_L12 w0.081: v1(77,68) 76.67,67.67 76.67,67.23 76.63,67.2 76.63,67.16 76.63,67.15 76.63,62.7 76.67,62.66 76.67,45.7 68.19,37.22 57.37,37.22 46.35,26.2 46.35,9.21 45.89,8.75 45.4,8.75 45.08,8.43 45.08,5.56 45.37,5.27 45.77,5.27 46.03,5.53 46.03,6.53 J6.D17
SO_P97: length 86
  TOP w0.127: U1.AN14 v1(77,73)
  SIGNAL_L3 w0.081: v1(77,73) 76.66,72.66 76.66,72.22 76.63,72.19 76.63,64.53 76.66,64.5 76.66,43.95 51.57,18.85 50.07,18.85 46.38,15.16 46.38,4.27 46.64,4 47.27,4 47.29,4.02 47.29,5.27 46.83,5.72
SO_P98: length 76.1
  TOP w0.127: U1.AL14 v1(77,75)
  SIGNAL_L10 w0.081: 76.5,59.5 76.5,74.05 77,74.55 v1(77,75)
  SIGNAL_L10 w0.083: 76.5,59.5 76.5,44.3 53.3,21.1 50.78,21.1 J6.K16
SO_P99: length 72.1
  TOP w0.102: U1.BA13 v1(76,65)
  BOTTOM w0.102: v1(76,65) 75.68,64.68 75.68,64.12 75.68,64.12 75.68,62.58 74.94,61.84 74.94,50.74 59.3,35.1 59.3,33.13 58.23,32.05 55.55,32.05 53.83,30.33 53.83,28 45.1,19.26 45.1,11.71 44.68,11.3 43.97,11.3 43.51,11.77 43.51,12.86 J6.J15
SO_P100: length 81.6
  TOP w0.127: U1.AW13 v1(76,67)
  SIGNAL_L12 w0.081: J6.H16 44.75,11.62 44.75,10.62 44.48,10.35 44.1,10.35 43.83,10.62 43.83,25.61 50.03,31.81 50.03,34.71 53.69,38.37 68.04,38.37 75.67,46 75.67,61.61 75.63,61.65 75.63,66.15 75.63,66.16 75.63,66.2 75.67,66.23 75.67,66.67 v1(76,67)
SO_P101: length 78.9
  TOP w0.127: U1.AU13 v1(76,69)
  SIGNAL_L3 w0.081: J6.G15 43.49,10.34 43.49,9.21 43.96,8.75 44.62,8.75 45.1,9.23 45.1,16.8 53.3,25 56.37,25 75.47,44.1 75.66,44.3 75.66,44.3 75.66,59.64 75.59,59.71 75.59,63.85 75.61,63.87 75.61,63.96 75.64,64 75.64,64.03 75.63,64.05 75.63,68.19 75.66,68.22 75.66,68.66 v1(76,69)
SO_P102: length 82.8
  TOP w0.127: U1.AR13 v1(76,71)
  SIGNAL_L10 w0.081: v1(76,71) 75.97,71 75.49,71.48 75.37,71.48 75.26,71.37 75.25,71.37 75.25,71.37 74.85,71.37 74.63,71.15 74.63,64.43 74.67,64.4 74.67,43.85 54.02,23.2 51.07,23.2 43.83,15.96 43.83,8.08 44.1,7.81 44.48,7.81 44.76,8.09 44.76,9.07 J6.F16
SO_P103: length 85.7
  TOP w0.127: U1.AM13 v1(76,74)
  SIGNAL_L5 w0.081: J6.E15 43.49,7.8 43.49,6.68 43.97,6.21 44.62,6.21 45.11,6.69 45.11,16.26 47.75,18.9 49.55,18.9 54.4,23.75 54.4,29.85 75.67,51.12 75.67,64.67 75.63,64.71 75.63,73.15 75.68,73.2 75.68,73.68 v1(76,74)
SO_P104: length 78.7
  TOP w0.102: U1.BB12 75.5,64.2 75.3,64 75.3,42.77 50.13,17.6 45.48,17.6 43.8,15.92 43.8,5.41 43.34,4.95 42.7,4.95 42.24,5.42 42.24,6.51 J6.D14
SO_P105: length 81.2
  TOP w0.127: U1.AY12 v1(75,66)
  BOTTOM w0.102: 41.75,5.72 42.24,5.24 42.24,4.28 41.95,3.99 41.56,3.99 41.29,4.26 41.29,19.77 54.42,32.9 57.58,32.9 58.3,33.62 58.3,35.4 74.15,51.25 74.15,62.37 74.71,62.92 74.71,63.14 74.71,63.5 74.62,63.59 74.62,65.16 74.68,65.22 74.68,65.68 v1(75,66)
SO_P106: length 83.6
  TOP w0.127: U1.AV12 v1(75,68)
  SIGNAL_L12 w0.081: J6.K13 40.95,14.15 40.95,13.03 41.43,12.56 42.08,12.56 42.55,13.03 42.55,27.5 45.5,30.45 45.5,35.2 50.05,39.75 68.25,39.75 74.67,46.17 74.67,62.66 74.63,62.7 74.63,67.15 74.63,67.16 74.63,67.2 74.67,67.23 74.67,67.67 v1(75,68)
SO_P107: length 79.9
  TOP w0.127: U1.AT12 v1(75,70)
  SIGNAL_L3 w0.081: 39.21,13.35 39.68,12.88 39.68,11.76 40.16,11.29 40.81,11.29 41.27,11.75 41.27,15.28 54.55,28.55 54.55,29.8 55.42,30.67 60.92,30.67 63.32,33.08 63.32,33.42 74.66,44.76 74.66,62.62 74.63,62.65 74.63,69.19 74.66,69.22 74.66,69.66 v1(75,70)
SO_P108: length 75.3
  TOP w0.102: J6.H13 40.97,11.59 40.97,10.63 40.68,10.34 40.16,10.34 40,10.5 40,16 42.65,18.65 49.88,18.65 74.3,43.07 74.3,64 74.5,64.2 U1.BB11
SO_P109: length 75.7
  TOP w0.127: U1.AY11 v1(74,66)
  BOTTOM w0.102: v1(74,66) 73.68,65.68 73.68,65.22 73.62,65.16 73.62,64.74 73.32,64.44 73.32,63.03 73.35,63 73.35,52.3 56.83,35.78 55.78,35.78 38.75,18.75 38.75,14.81 38.75,14.81 38.75,9.25 38.96,9.04 39.64,9.04 39.7,9.1 39.7,10.32 39.21,10.8
SO_P110: length 88.8
  TOP w0.127: U1.AV11 v1(74,68)
  SIGNAL_L12 w0.081: v1(74,68) 73.67,67.67 73.67,67.23 73.63,67.2 73.63,67.16 73.63,67.15 73.63,62.7 73.67,62.66 73.67,46.85 67.69,40.87 48.52,40.87 44.1,36.45 44.1,31.43 40,27.34 40,7.98 40.18,7.81 40.67,7.81 40.95,8.09 40.95,9.07 J6.F13
SO_P111: length 83.4
  TOP w0.127: U1.AT11 v1(74,70)
  SIGNAL_L3 w0.081: 39.21,8.27 39.68,7.8 39.68,6.79 39.4,6.51 38.99,6.51 38.73,6.77 38.73,15.32 50.93,27.51 50.93,30.16 52.94,32.17 56.31,32.17 73.66,49.53 73.66,62.62 73.63,62.65 73.63,69.19 73.66,69.22 73.66,69.66 v1(74,70)
SO_P112: length 75.8
  TOP w0.102: J6.K10 37.16,14.13 37.16,13.04 37.62,12.57 38.26,12.57 38.72,13.02 38.72,17.14 41.58,20 46.95,20 55.27,28.32 55.27,30.19 55.99,30.9 61.17,30.9 73.3,43.04 73.3,64 73.5,64.2 U1.BB10
SO_P113: length 76
  TOP w0.127: U1.AY10 v1(73,66)
  BOTTOM w0.102: 35.4,13.35 35.89,12.86 35.89,11.61 36.23,11.27 37,11.27 37.48,11.74 37.48,19.84 50,32.37 50,34.2 52.65,36.85 56.76,36.85 72.65,52.74 72.65,63.13 72.62,63.17 72.62,65.16 72.68,65.22 72.68,65.68 v1(73,66)
SO_P114: length 88.3
  TOP w0.127: U1.AV10 v1(73,68)